# KiCad board MB1635_good_conversion.kicad_pcb
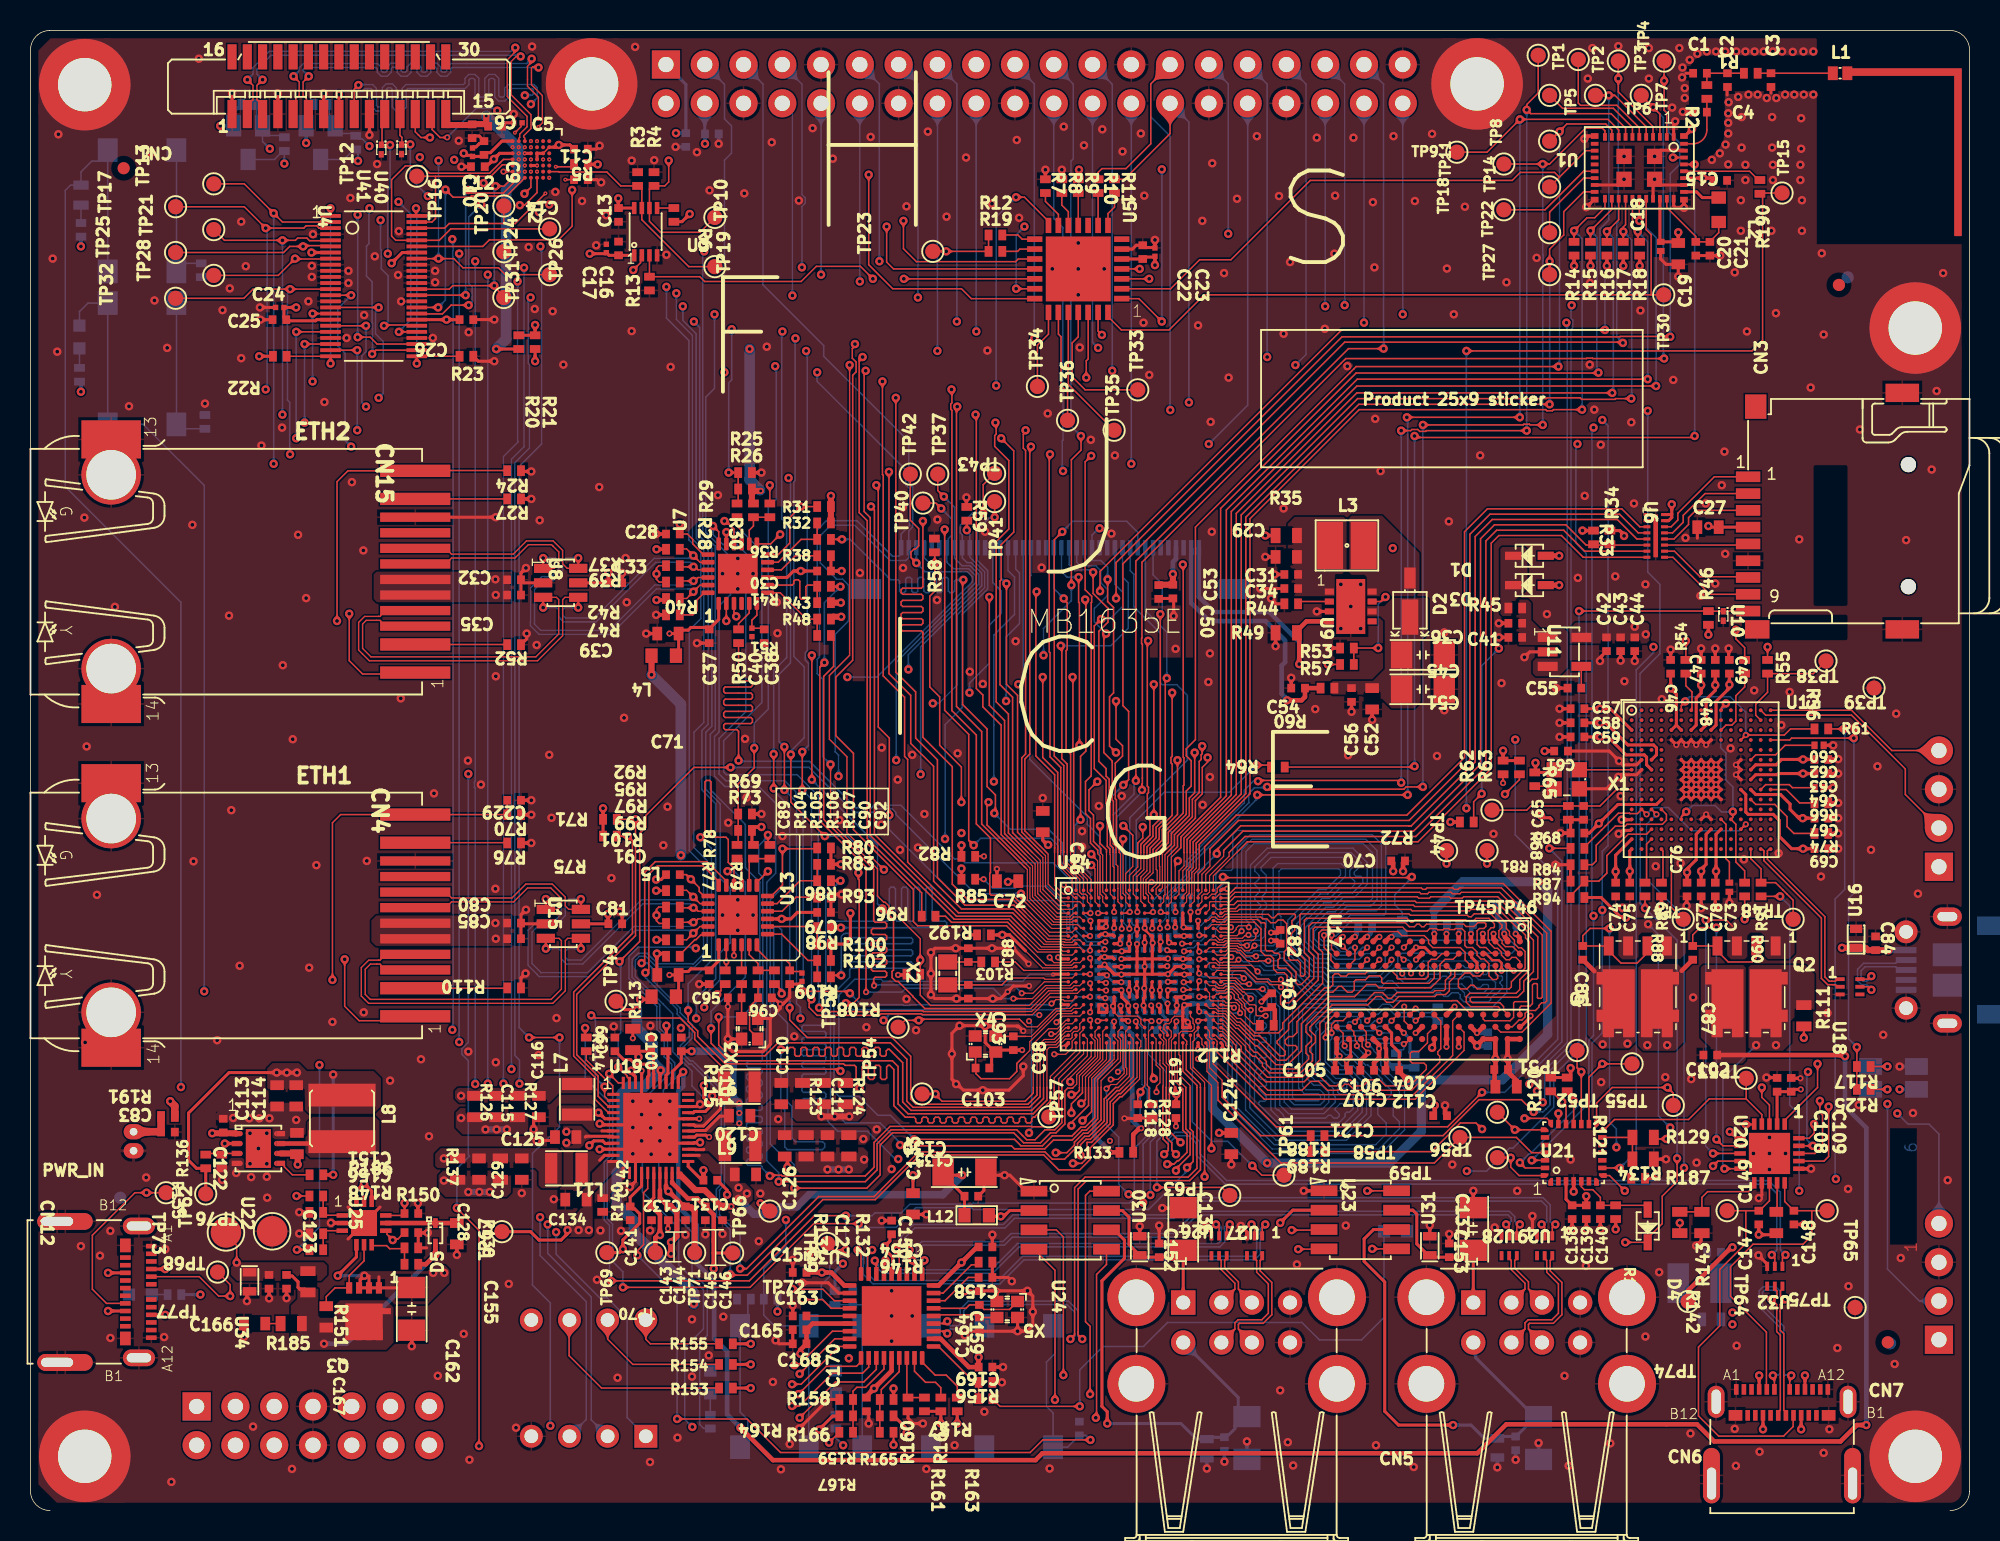
[diagram p0: board, top side]
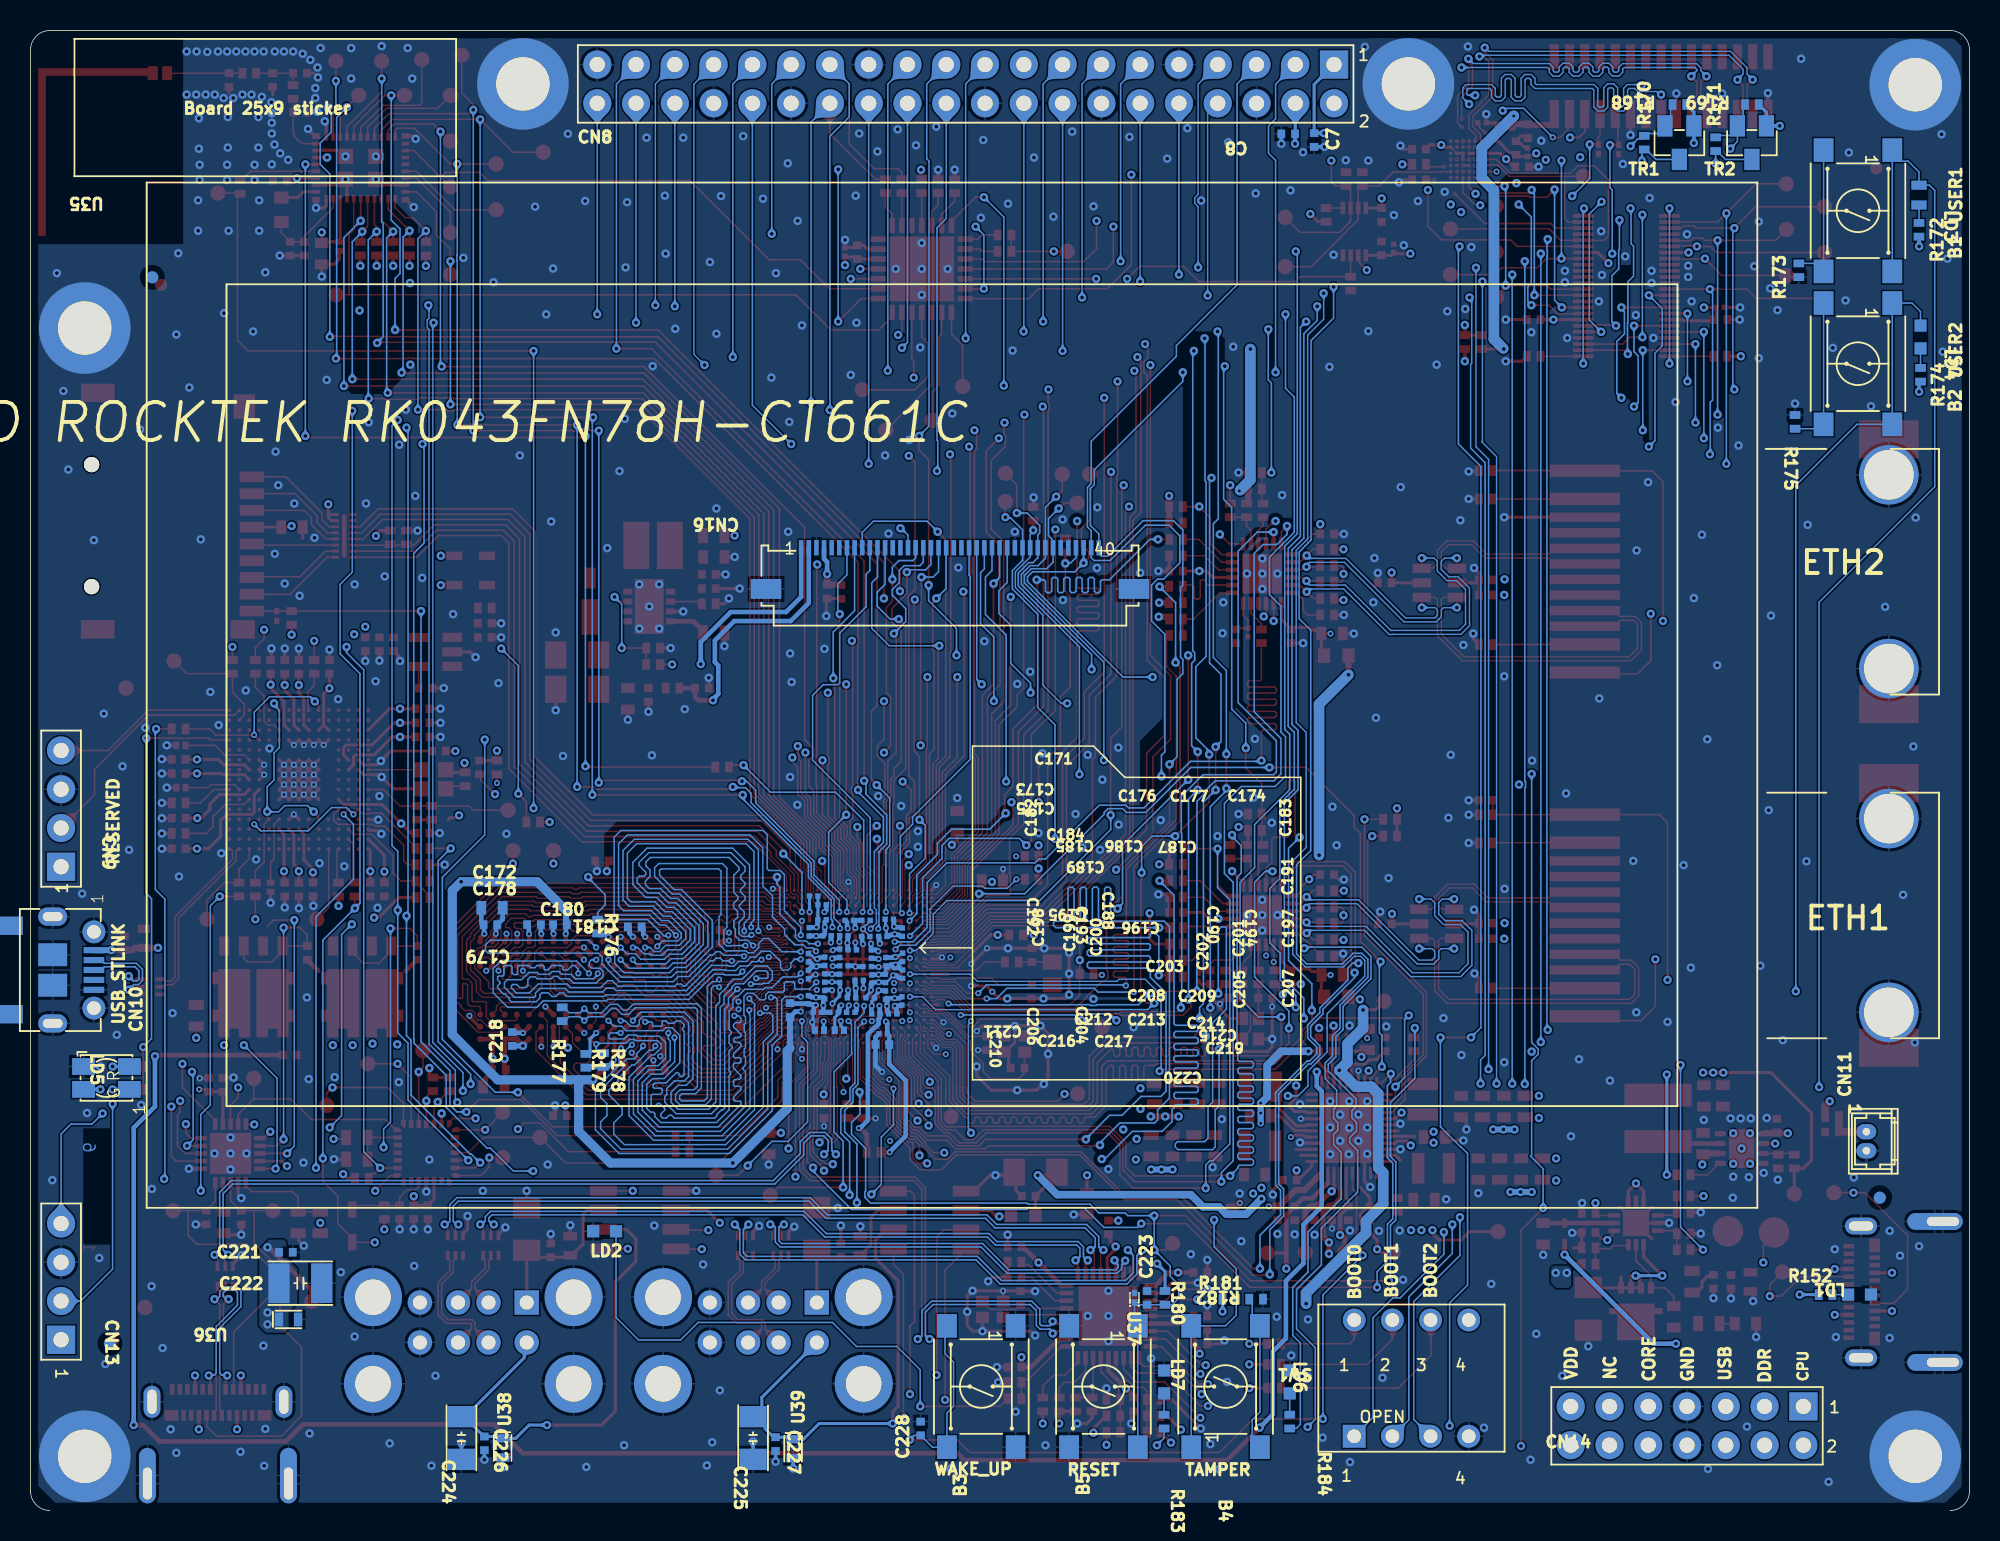
[diagram p1: board, bottom side, seen from below]

Outline 127 x 97 mm; copper layers: Top Layer, Signal Layer 1, Signal Layer 2, Signal Layer 3, Signal Layer 4, Bottom Layer. Coordinates in mm from the lower left corner of the outline.
Outline path: 1.27,0 arc(0.37,0.37) 0,1.27 0,95.73 arc(0.37,96.63) 1.27,97 125.73,97 arc(126.63,96.63) 127,95.73 127,1.27 arc(126.63,0.37) 125.73,0

## Placement (name value [footprint] x y rotation side)
B1  SW_PUSH_SMD  [SWI_KNITTER_TSS644S]  7.3 85.19 270 bottom
B2  SW_PUSH_SMD  [SWI_KNITTER_TSS644S]  7.3 75.16 270 bottom
B3  SW_PUSH_SMD  [SWI_KNITTER_TSS644S#2]  64.73 8.13 270 bottom
B4  SW_PUSH_SMD  [SWI_KNITTER_TSS644S]  48.72 8.13 90 bottom
B5  SW_PUSH_SMD  [SWI_KNITTER_TSS644S]  56.73 8.13 270 bottom
C1  Capacitor  [_Subversion_Altium_Designer_Library_Trunk_MCD_PARTS_CAPACITOR.PcbLib_C0402]  109.35 94.2 0 top
C2  Capacitor  [_Subversion_Altium_Designer_Library_Trunk_MCD_PARTS_CAPACITOR.PcbLib_C0402]  111.15 93.75 90 top
C3  Capacitor  [_Subversion_Altium_Designer_Library_Trunk_MCD_PARTS_CAPACITOR.PcbLib_C0402]  114 93.75 90 top
C4  Capacitor  [_Subversion_Altium_Designer_Library_Trunk_MCD_PARTS_CAPACITOR.PcbLib_C0402]  109.35 91.65 0 top
C5  Capacitor  [_Subversion_Altium_Designer_Library_Trunk_MCD_PARTS_database.DbLib/MCD_PARTS$_C0201_MURATA_GRM033_H0P3]  31.92 90.95 0 top
C6  Capacitor  [_Subversion_Altium_Designer_Library_Trunk_MCD_PARTS_database.DbLib/MCD_PARTS$_C0402]  30.42 90.73 180 top
C7  Capacitor  [_Subversion_Altium_Designer_Library_Trunk_MCD_PARTS_CAPACITOR.PcbLib_C0402]  42.93 89.83 270 bottom
C8  Capacitor  [_Subversion_Altium_Designer_Library_Trunk_MCD_PARTS_CAPACITOR.PcbLib_C0402#3]  44.62 90.23 180 bottom
C9  Capacitor  [_Subversion_Altium_Designer_Library_Trunk_MCD_PARTS_CAPACITOR.PcbLib_C0402]  29.7 89.3 270 top
C10  Capacitor  [_Subversion_Altium_Designer_Library_Trunk_MCD_PARTS_CAPACITOR.PcbLib_C0201_MURATA_GRM033_H0P3]  28.95 89.02 270 top
C11  Capacitor  [_Subversion_Altium_Designer_Library_Trunk_MCD_PARTS_CAPACITOR.PcbLib_C0402#2]  36.05 89.23 180 top
C12  Capacitor  [_Subversion_Altium_Designer_Library_Trunk_MCD_PARTS_CAPACITOR.PcbLib_C0402]  29.3 88.08 0 top
C13  Capacitor  [_Subversion_Altium_Designer_Library_Trunk_MCD_PARTS_CAPACITOR.PcbLib_C0402]  38.51 84.91 90 top
C14  Capacitor  [_Subversion_Altium_Designer_Library_Trunk_MCD_PARTS_CAPACITOR.PcbLib_C0402#2]  36.05 87.23 180 top
C15  Capacitor  [_Subversion_Altium_Designer_Library_Trunk_MCD_PARTS_CAPACITOR.PcbLib_C0402#3]  110.67 87.18 180 top
C16  Capacitor  [_Subversion_Altium_Designer_Library_Trunk_MCD_PARTS_CAPACITOR.PcbLib_C0402]  38.51 82.71 270 top
C17  Capacitor  [_Subversion_Altium_Designer_Library_Trunk_MCD_PARTS_CAPACITOR.PcbLib_C0201_MURATA_GRM033_H0P3]  37.71 82.71 270 top
C18  Capacitor  [_Subversion_Altium_Designer_Library_Trunk_MCD_PARTS_database.DbLib/MCD_PARTS$_C0201_H0P5]  106.77 82.85 90 top
C19  Capacitor  [_Subversion_Altium_Designer_Library_Trunk_MCD_PARTS_CAPACITOR.PcbLib_C0603]  107.92 82.38 90 top
C20  Capacitor  [_Subversion_Altium_Designer_Library_Trunk_MCD_PARTS_CAPACITOR.PcbLib_C0402]  109.08 82.7 90 top
C21  Capacitor  [_Subversion_Altium_Designer_Library_Trunk_MCD_PARTS_CAPACITOR.PcbLib_C0402]  110 82.7 90 top
C22  Capacitor  [_Subversion_Altium_Designer_Library_Trunk_MCD_PARTS_CAPACITOR.PcbLib_C0402]  72.85 82.48 270 top
C23  Capacitor  [_Subversion_Altium_Designer_Library_Trunk_MCD_PARTS_database.DbLib/MCD_PARTS$_C0201_MURATA_GRM033_H0P3]  73.65 82.48 270 top
C24  Capacitor  [_Subversion_Altium_Designer_Library_Trunk_MCD_PARTS_database.DbLib/MCD_PARTS$_C0201_MURATA_GRM033_H0P3]  16.33 78.85 0 top
C25  Capacitor  [_Subversion_Altium_Designer_Library_Trunk_MCD_PARTS_CAPACITOR.PcbLib_C0402]  16.3 78.05 0 top
C26  Capacitor  [_Subversion_Altium_Designer_Library_Trunk_MCD_PARTS_CAPACITOR.PcbLib_C0402#3]  28.55 78.05 180 top
C27  Capacitor  [_Subversion_Altium_Designer_Library_Trunk_MCD_PARTS_database.DbLib/MCD_PARTS$_C0603]  109.87 64.45 0 top
C28  Capacitor  [_Subversion_Altium_Designer_Library_Trunk_MCD_PARTS_database.DbLib/MCD_PARTS$_C0402#2]  42.07 64 0 top
C29  Capacitor  [_Subversion_Altium_Designer_Library_Trunk_MCD_PARTS_database.DbLib/MCD_PARTS$_C0603]  82.25 62.5 180 top
C30  Capacitor  [_Subversion_Altium_Designer_Library_Trunk_MCD_PARTS_database.DbLib/MCD_PARTS$_C0402#2]  51.98 61.58 180 top
C31  Capacitor  [_Subversion_Altium_Designer_Library_Trunk_MCD_PARTS_CAPACITOR.PcbLib_C0402#2]  82.58 61.35 0 top
C32  Capacitor  [_Subversion_Altium_Designer_Library_Trunk_MCD_PARTS_database.DbLib/MCD_PARTS$_C0402#2]  31.68 61 180 top
C33  Capacitor  [_Subversion_Altium_Designer_Library_Trunk_MCD_PARTS_database.DbLib/MCD_PARTS$_C0402#3]  38.3 60.8 0 top
C34  Capacitor  [_Subversion_Altium_Designer_Library_Trunk_MCD_PARTS_database.DbLib/MCD_PARTS$_C0402#2]  82.58 60.43 0 top
C35  Capacitor  [_Subversion_Altium_Designer_Library_Trunk_MCD_PARTS_database.DbLib/MCD_PARTS$_C0402#2]  31.68 60 180 top
C36  Capacitor  [_Subversion_Altium_Designer_Library_Trunk_MCD_PARTS_database.DbLib/MCD_PARTS$_C0402#3]  97.25 58.15 180 top
C37  Capacitor  [_Subversion_Altium_Designer_Library_Trunk_MCD_PARTS_database.DbLib/MCD_PARTS$_C0402]  44.45 57.3 90 top
C38  Capacitor  [_Subversion_Altium_Designer_Library_Trunk_MCD_PARTS_CAPACITOR.PcbLib_C0402]  48.05 57.3 90 top
C39  Capacitor  [_Subversion_Altium_Designer_Library_Trunk_MCD_PARTS_database.DbLib/MCD_PARTS$_C0603]  41.75 57.48 180 top
C40  Capacitor  [_Subversion_Altium_Designer_Library_Trunk_MCD_PARTS_database.DbLib/MCD_PARTS$_C0201_MURATA_GRM033_H0P3]  47.25 57.55 90 top
C41  Capacitor  [_Subversion_Altium_Designer_Library_Trunk_MCD_PARTS_CAPACITOR.PcbLib_C0402#2]  97.25 57.23 0 top
C42  Capacitor  [_Subversion_Altium_Designer_Library_Trunk_MCD_PARTS_database.DbLib/MCD_PARTS$_C0402]  103.22 56.78 90 top
C43  Capacitor  [_Subversion_Altium_Designer_Library_Trunk_MCD_PARTS_database.DbLib/MCD_PARTS$_C0402]  104.15 56.78 90 top
C44  Capacitor  [_Subversion_Altium_Designer_Library_Trunk_MCD_PARTS_CAPACITOR.PcbLib_C0402]  105.08 56.78 90 top
C45  Capacitor  [_Subversion_Altium_Designer_Library_Trunk_MCD_PARTS_CAPACITOR.PcbLib_C1206_H1P25]  91.2 56.08 180 top
C46  Capacitor  [_Subversion_Altium_Designer_Library_Trunk_MCD_PARTS_CAPACITOR.PcbLib_C0402]  107.43 55.3 270 top
C47  Capacitor  [_Subversion_Altium_Designer_Library_Trunk_MCD_PARTS_CAPACITOR.PcbLib_C0402]  109.42 55.3 270 top
C48  Capacitor  [_Subversion_Altium_Designer_Library_Trunk_MCD_PARTS_CAPACITOR.PcbLib_C0402]  110.35 55.3 270 top
C49  Capacitor  [_Subversion_Altium_Designer_Library_Trunk_MCD_PARTS_CAPACITOR.PcbLib_C0402]  111.28 55.3 270 top
C50  Capacitor  [_Subversion_Altium_Designer_Library_Trunk_MCD_PARTS_database.DbLib/MCD_PARTS$_C0402]  73.9 60.2 270 top
C51  Capacitor  [_Subversion_Altium_Designer_Library_Trunk_MCD_PARTS_CAPACITOR.PcbLib_C1206_H1P25]  91.2 53.83 180 top
C52  Capacitor  [_Subversion_Altium_Designer_Library_Trunk_MCD_PARTS_CAPACITOR.PcbLib_C0603]  87.87 53.2 90 top
C53  Capacitor  [_Subversion_Altium_Designer_Library_Trunk_MCD_PARTS_CAPACITOR.PcbLib_C0402]  74.83 60.23 90 top
C54  Capacitor  [_Subversion_Altium_Designer_Library_Trunk_MCD_PARTS_CAPACITOR.PcbLib_C0402]  83.02 53.9 0 top
C55  Capacitor  [_Subversion_Altium_Designer_Library_Trunk_MCD_PARTS_CAPACITOR.PcbLib_C0402]  101.12 53.9 0 top
C56  Capacitor  [_Subversion_Altium_Designer_Library_Trunk_MCD_PARTS_CAPACITOR.PcbLib_C0402]  86.52 53.45 90 top
C57  Capacitor  [_Subversion_Altium_Designer_Library_Trunk_MCD_PARTS_CAPACITOR.PcbLib_C0402#3]  101.33 52.55 0 top
C58  Capacitor  [_Subversion_Altium_Designer_Library_Trunk_MCD_PARTS_CAPACITOR.PcbLib_C0402#3]  101.33 51.63 0 top
C59  Capacitor  [_Subversion_Altium_Designer_Library_Trunk_MCD_PARTS_CAPACITOR.PcbLib_C0402#3]  101.33 50.7 0 top
C60  Capacitor  [_Subversion_Altium_Designer_Library_Trunk_MCD_PARTS_database.DbLib/MCD_PARTS$_C0201_H0P5]  117.15 50.15 180 top
C61  Capacitor  [_Subversion_Altium_Designer_Library_Trunk_MCD_PARTS_CAPACITOR.PcbLib_C0402]  100.25 49.78 180 top
C62  Capacitor  [_Subversion_Altium_Designer_Library_Trunk_MCD_PARTS_CAPACITOR.PcbLib_C0402#2]  117.3 49.23 180 top
C63  Capacitor  [_Subversion_Altium_Designer_Library_Trunk_MCD_PARTS_CAPACITOR.PcbLib_C0402#2]  117.3 48.3 180 top
C64  Capacitor  [_Subversion_Altium_Designer_Library_Trunk_MCD_PARTS_database.DbLib/MCD_PARTS$_C0201_H0P5]  117.15 47.38 180 top
C65  Capacitor  [_Subversion_Altium_Designer_Library_Trunk_MCD_PARTS_CAPACITOR.PcbLib_C0402]  101.72 45.73 90 top
C66  Capacitor  [_Subversion_Altium_Designer_Library_Trunk_MCD_PARTS_database.DbLib/MCD_PARTS$_C0603]  66.3 45.15 270 top
C67  Capacitor  [_Subversion_Altium_Designer_Library_Trunk_MCD_PARTS_CAPACITOR.PcbLib_C0402#2]  117.3 45.38 180 top
C68  Capacitor  [_Subversion_Altium_Designer_Library_Trunk_MCD_PARTS_CAPACITOR.PcbLib_C0402#3]  101.33 44.4 0 top
C69  Capacitor  [_Subversion_Altium_Designer_Library_Trunk_MCD_PARTS_CAPACITOR.PcbLib_C0402#2]  117.3 43.38 180 top
C70  Capacitor  [C0402]  89.58 42.58 180 top
C71  Capacitor  [_Subversion_Altium_Designer_Library_Trunk_MCD_PARTS_database.DbLib/MCD_PARTS$_C0402#2]  42.07 41.68 0 top
C72  Capacitor  [_Subversion_Altium_Designer_Library_Trunk_MCD_PARTS_CAPACITOR.PcbLib_C0603]  64 41.25 0 top
C73  Capacitor  [_Subversion_Altium_Designer_Library_Trunk_MCD_PARTS_database.DbLib/MCD_PARTS$_C0201_H0P5]  111.28 40.85 90 top
C74  Capacitor  [_Subversion_Altium_Designer_Library_Trunk_MCD_PARTS_CAPACITOR.PcbLib_C0402]  103.83 40.7 90 top
C75  Capacitor  [_Subversion_Altium_Designer_Library_Trunk_MCD_PARTS_CAPACITOR.PcbLib_C0402]  104.75 40.7 90 top
C76  Capacitor  [_Subversion_Altium_Designer_Library_Trunk_MCD_PARTS_CAPACITOR.PcbLib_C0402]  108.5 40.7 90 top
C77  Capacitor  [_Subversion_Altium_Designer_Library_Trunk_MCD_PARTS_CAPACITOR.PcbLib_C0402]  109.42 40.7 90 top
C78  Capacitor  [_Subversion_Altium_Designer_Library_Trunk_MCD_PARTS_CAPACITOR.PcbLib_C0402]  110.35 40.7 90 top
C79  Capacitor  [_Subversion_Altium_Designer_Library_Trunk_MCD_PARTS_database.DbLib/MCD_PARTS$_C0402#2]  51.98 39.2 180 top
C80  Capacitor  [_Subversion_Altium_Designer_Library_Trunk_MCD_PARTS_database.DbLib/MCD_PARTS$_C0402#2]  31.68 38.5 180 top
C81  Capacitor  [_Subversion_Altium_Designer_Library_Trunk_MCD_PARTS_database.DbLib/MCD_PARTS$_C0402#3]  38.3 38.45 0 top
C82  Capacitor  [C0402]  81.85 37.6 270 top
C83  Capacitor  [_Subversion_Altium_Designer_Library_Trunk_MCD_PARTS_CAPACITOR.PcbLib_C0402]  9 24.8 180 top
C84  Capacitor  [_Subversion_Altium_Designer_Library_Trunk_MCD_PARTS_CAPACITOR.PcbLib_C0402]  120.85 37.18 270 top
C85  Capacitor  [_Subversion_Altium_Designer_Library_Trunk_MCD_PARTS_database.DbLib/MCD_PARTS$_C0402#2]  31.68 37.48 180 top
C86  Capacitor  [_Subversion_Altium_Designer_Library_Trunk_MCD_PARTS_CAPACITOR.PcbLib_C0402]  101.67 36.55 270 top
C87  Capacitor  [_Subversion_Altium_Designer_Library_Trunk_MCD_PARTS_CAPACITOR.PcbLib_C0402]  108.88 36.55 270 top
C88  Capacitor  [C0402]  61.42 36.4 90 top
C89  Capacitor  [_Subversion_Altium_Designer_Library_Trunk_MCD_PARTS_database.DbLib/MCD_PARTS$_C0402]  44.45 34.95 90 top
C90  Capacitor  [_Subversion_Altium_Designer_Library_Trunk_MCD_PARTS_CAPACITOR.PcbLib_C0402]  49.73 34.95 90 top
C91  Capacitor  [_Subversion_Altium_Designer_Library_Trunk_MCD_PARTS_database.DbLib/MCD_PARTS$_C0603]  41.75 35.1 180 top
C92  Capacitor  [_Subversion_Altium_Designer_Library_Trunk_MCD_PARTS_database.DbLib/MCD_PARTS$_C0201_MURATA_GRM033_H0P3]  50.53 34.95 90 top
C93  Capacitor  [C0402]  61.42 34 270 top
C94  Capacitor  [C0402]  81.3 33.45 90 top
C95  Capacitor  [_Subversion_Altium_Designer_Library_Trunk_MCD_PARTS_CAPACITOR.PcbLib_C0402#2]  46.12 33.6 0 top
C96  Capacitor  [_Subversion_Altium_Designer_Library_Trunk_MCD_PARTS_CAPACITOR.PcbLib_C0402]  48.1 33.6 180 top
C98  Capacitor  [C0402]  64.37 30.63 90 top
C99  Capacitor  [C0402]  38.27 30.55 90 top
C100  Capacitor  [C0402]  40.62 30.55 270 top
C101  Capacitor  [C0402]  42.62 30.55 270 top
C102  Capacitor  [_Subversion_Altium_Designer_Library_Trunk_MCD_PARTS_CAPACITOR.PcbLib_C0402#3]  110.03 29.85 0 top
C103  Capacitor  [C0402]  62.35 29 0 top
C104  Capacitor  [C0402]  96.33 28.9 180 top
C105  Capacitor  [C0402#2]  85.9 28.85 0 top
C106  Capacitor  [C0402]  87.55 28.85 0 top
C107  Capacitor  [C0402]  89.2 28.85 180 top
C108  Capacitor  [_Subversion_Altium_Designer_Library_Trunk_MCD_PARTS_CAPACITOR.PcbLib_C0402]  114.4 27.9 270 top
C109  Capacitor  [_Subversion_Altium_Designer_Library_Trunk_MCD_PARTS_database.DbLib/MCD_PARTS$_C0402]  115.33 27.9 270 top
C110  Capacitor  [C0603]  49.17 27.33 90 top
C111  Capacitor  [_Subversion_Altium_Designer_Library_Trunk_MCD_PARTS_database.DbLib/MCD_PARTS$_C0603]  51.97 27.33 270 top
C112  Capacitor  [_Subversion_Altium_Designer_Library_MCD_PARTS_CAPACITOR.PcbLib_C0603]  96.65 27.78 180 top
C113  Capacitor  [_Subversion_Altium_Designer_Library_Trunk_MCD_PARTS_CAPACITOR.PcbLib_C0603]  16.15 27.18 90 top
C114  Capacitor  [_Subversion_Altium_Designer_Library_Trunk_MCD_PARTS_CAPACITOR.PcbLib_C0603]  17.4 27.18 90 top
C115  Capacitor  [_Subversion_Altium_Designer_Library_Trunk_MCD_PARTS_database.DbLib/MCD_PARTS$_C0603]  30.5 26.48 270 top
C116  Capacitor  [C0603]  33.3 26.48 90 top
C117  Capacitor  [C0402]  28.92 90.4 90 top
C118  Capacitor  [_Subversion_Altium_Designer_Library_Trunk_MCD_PARTS_CAPACITOR.PcbLib_C0402]  72.52 26.18 270 top
C119  Capacitor  [_Subversion_Altium_Designer_Library_Trunk_MCD_PARTS_CAPACITOR.PcbLib_C0402]  75.02 26.18 90 top
C120  Capacitor  [C0603]  46.45 25.88 180 top
C121  Capacitor  [C0402]  92.33 25.88 180 top
C122  Capacitor  [_Subversion_Altium_Designer_Library_Trunk_MCD_PARTS_CAPACITOR.PcbLib_C0402]  12.63 25.23 270 top
C123  Capacitor  [_Subversion_Altium_Designer_Library_Trunk_MCD_PARTS_database.DbLib/MCD_PARTS$_C0603]  17.45 24.05 270 top
C124  Capacitor  [C0603]  78.65 24.05 90 top
C125  Capacitor  [C0603]  35.05 24.48 0 top
C126  Capacitor  [C0603]  49.4 23.9 90 top
C127  Capacitor  [_Subversion_Altium_Designer_Library_Trunk_MCD_PARTS_database.DbLib/MCD_PARTS$_C0603]  52.2 23.9 270 top
C128  Capacitor  [_Subversion_Altium_Designer_Library_Trunk_MCD_PARTS_database.DbLib/MCD_PARTS$_C0603]  29.38 22.38 270 top
C129  Capacitor  [C0603]  32.17 22.38 90 top
C130  Capacitor  [_Subversion_Altium_Designer_Library_Trunk_MCD_PARTS_database.DbLib/MCD_PARTS$_C1206_H1P6]  61.17 22.18 180 top
C131  Capacitor  [C0603]  46.83 22.03 180 top
C132  Capacitor  [C0402#3]  44.52 21.65 180 top
C133  Capacitor  [C0603]  57.8 20.1 90 top
C134  Capacitor  [C0603]  35.72 20.38 0 top
C135  Capacitor  [_Subversion_Altium_Designer_Library_Trunk_MCD_PARTS_CAPACITOR.PcbLib_C0402]  61.62 20.6 180 top
C136  Capacitor  [_Subversion_Altium_Designer_Library_Trunk_MCD_PARTS_CAPACITOR.PcbLib_C1206_H1P6]  75.5 18.45 270 top
C137  Capacitor  [_Subversion_Altium_Designer_Library_Trunk_MCD_PARTS_CAPACITOR.PcbLib_C1206_H1P6]  94.5 18.45 270 top
C138  Capacitor  [_Subversion_Altium_Designer_Library_Trunk_MCD_PARTS_CAPACITOR.PcbLib_C0402]  100.98 19.55 90 top
C139  Capacitor  [_Subversion_Altium_Designer_Library_Trunk_MCD_PARTS_database.DbLib/MCD_PARTS$_C0402]  101.9 19.55 90 top
C140  Capacitor  [_Subversion_Altium_Designer_Library_Trunk_MCD_PARTS_CAPACITOR.PcbLib_C0402]  102.83 19.55 90 top
C141  Capacitor  [C0402]  39.28 19.48 90 top
C142  Capacitor  [C0402]  40.67 19.48 90 top
C143  Capacitor  [C0402]  41.78 19.48 90 top
C144  Capacitor  [C0402]  42.9 19.48 90 top
C145  Capacitor  [C0402]  44.2 19.48 90 top
C146  Capacitor  [C0402]  45.33 19.48 90 top
C147  Capacitor  [_Subversion_Altium_Designer_Library_Trunk_MCD_PARTS_CAPACITOR.PcbLib_C0402]  113.2 19.2 90 top
C148  Capacitor  [_Subversion_Altium_Designer_Library_Trunk_MCD_PARTS_CAPACITOR.PcbLib_C0402]  115.5 19.2 90 top
C149  Capacitor  [_Subversion_Altium_Designer_Library_Trunk_MCD_PARTS_database.DbLib/MCD_PARTS$_C0603]  114.35 18.88 90 top
C150  Capacitor  [_Subversion_Altium_Designer_Library_Trunk_MCD_PARTS_CAPACITOR.PcbLib_C0402]  56.4 18.55 270 top
C151  Capacitor  [_Subversion_Altium_Designer_Library_Trunk_MCD_PARTS_CAPACITOR.PcbLib_C0402]  24.94 19.46 180 top
C152  Capacitor  [_Subversion_Altium_Designer_Library_Trunk_MCD_PARTS_CAPACITOR.PcbLib_C0402]  73.92 17.05 270 top
C153  Capacitor  [_Subversion_Altium_Designer_Library_Trunk_MCD_PARTS_CAPACITOR.PcbLib_C0402]  92.92 17.05 270 top
C154  Capacitor  [_Subversion_Altium_Designer_Library_Trunk_MCD_PARTS_CAPACITOR.PcbLib_C0402#2]  62.55 17.28 180 top
C155  Capacitor  [_Subversion_Altium_Designer_Library_Trunk_MCD_PARTS_database.DbLib/MCD_PARTS$_C0603]  27.92 18.14 270 top
C156  Capacitor  [_Subversion_Altium_Designer_Library_Trunk_MCD_PARTS_CAPACITOR.PcbLib_C0402]  24.94 18.21 180 top
C157  Capacitor  [_Subversion_Altium_Designer_Library_Trunk_MCD_PARTS_CAPACITOR.PcbLib_C0402#3]  50.38 15.6 0 top
C158  Capacitor  [_Subversion_Altium_Designer_Library_Trunk_MCD_PARTS_CAPACITOR.PcbLib_C0402#2]  62.55 15.28 180 top
C159  Capacitor  [_Subversion_Altium_Designer_Library_Trunk_MCD_PARTS_CAPACITOR.PcbLib_C0402]  62.15 13.93 270 top
C160  Capacitor  [C0402]  16.77 14.99 270 top
C161  Capacitor  [C0402]  15.62 14.99 90 top
C162  Capacitor  [_Subversion_Altium_Designer_Library_Trunk_MCD_PARTS_database.DbLib/MCD_PARTS$_C1206_H1P6]  24.97 13.21 270 top
C163  Capacitor  [_Subversion_Altium_Designer_Library_Trunk_MCD_PARTS_CAPACITOR.PcbLib_C0402#3]  50.38 12.75 0 top
C164  Capacitor  [_Subversion_Altium_Designer_Library_Trunk_MCD_PARTS_CAPACITOR.PcbLib_C0402]  62.15 12.2 90 top
C165  Capacitor  [_Subversion_Altium_Designer_Library_Trunk_MCD_PARTS_CAPACITOR.PcbLib_C0402#3]  50.38 11.85 0 top
C166  Capacitor  [C0603]  14.67 12.25 0 top
C167  Capacitor  [C0603_H0P8]  19.37 12.69 270 top
C168  Capacitor  [_Subversion_Altium_Designer_Library_Trunk_MCD_PARTS_CAPACITOR.PcbLib_C0402#3]  50.38 10.93 0 top
C169  Capacitor  [_Subversion_Altium_Designer_Library_Trunk_MCD_PARTS_CAPACITOR.PcbLib_C0402#2]  62.55 9.4 180 top
C170  Capacitor  [_Subversion_Altium_Designer_Library_Trunk_MCD_PARTS_CAPACITOR.PcbLib_C0402]  54.75 6.95 90 top
C171  Capacitor  [C0201_MURATA_GRM033_H0P3]  75.7 40.28 0 bottom
C172  Capacitor  [_Subversion_Altium_Designer_Library_MCD_PARTS_CAPACITOR.PcbLib_C0603]  96.77 39.5 0 bottom
C173  Capacitor  [C0201_MURATA_GRM033_H0P3]  75.15 39.7 180 bottom
C174  Capacitor  [C0201_MURATA_GRM033_H0P3]  70.75 38.75 0 bottom
C175  Capacitor  [C0201_MURATA_GRM033_H0P3]  75.15 38.73 180 bottom
C176  Capacitor  [C0201_MURATA_GRM033_H0P3]  73.38 38.68 0 bottom
C177  Capacitor  [C0201_MURATA_GRM033_H0P3]  72.28 38.68 0 bottom
C178  Capacitor  [C0402#2]  96.87 38.4 0 bottom
C179  Capacitor  [C0402#3]  94.02 38.4 180 bottom